# Altium PCB controleo3_clone.PcbDoc (part 1 of 2)
Units mm, origin at the board's own origin, x right, y up, seen from the top; angles counter-clockwise.
Board outline 128 x 70 mm, 4 copper layers (Top Layer, GND, PWR, Bottom Layer), stack 1.571 mm thick; 93 components, 97 nets, 462 pads, 160 vias.
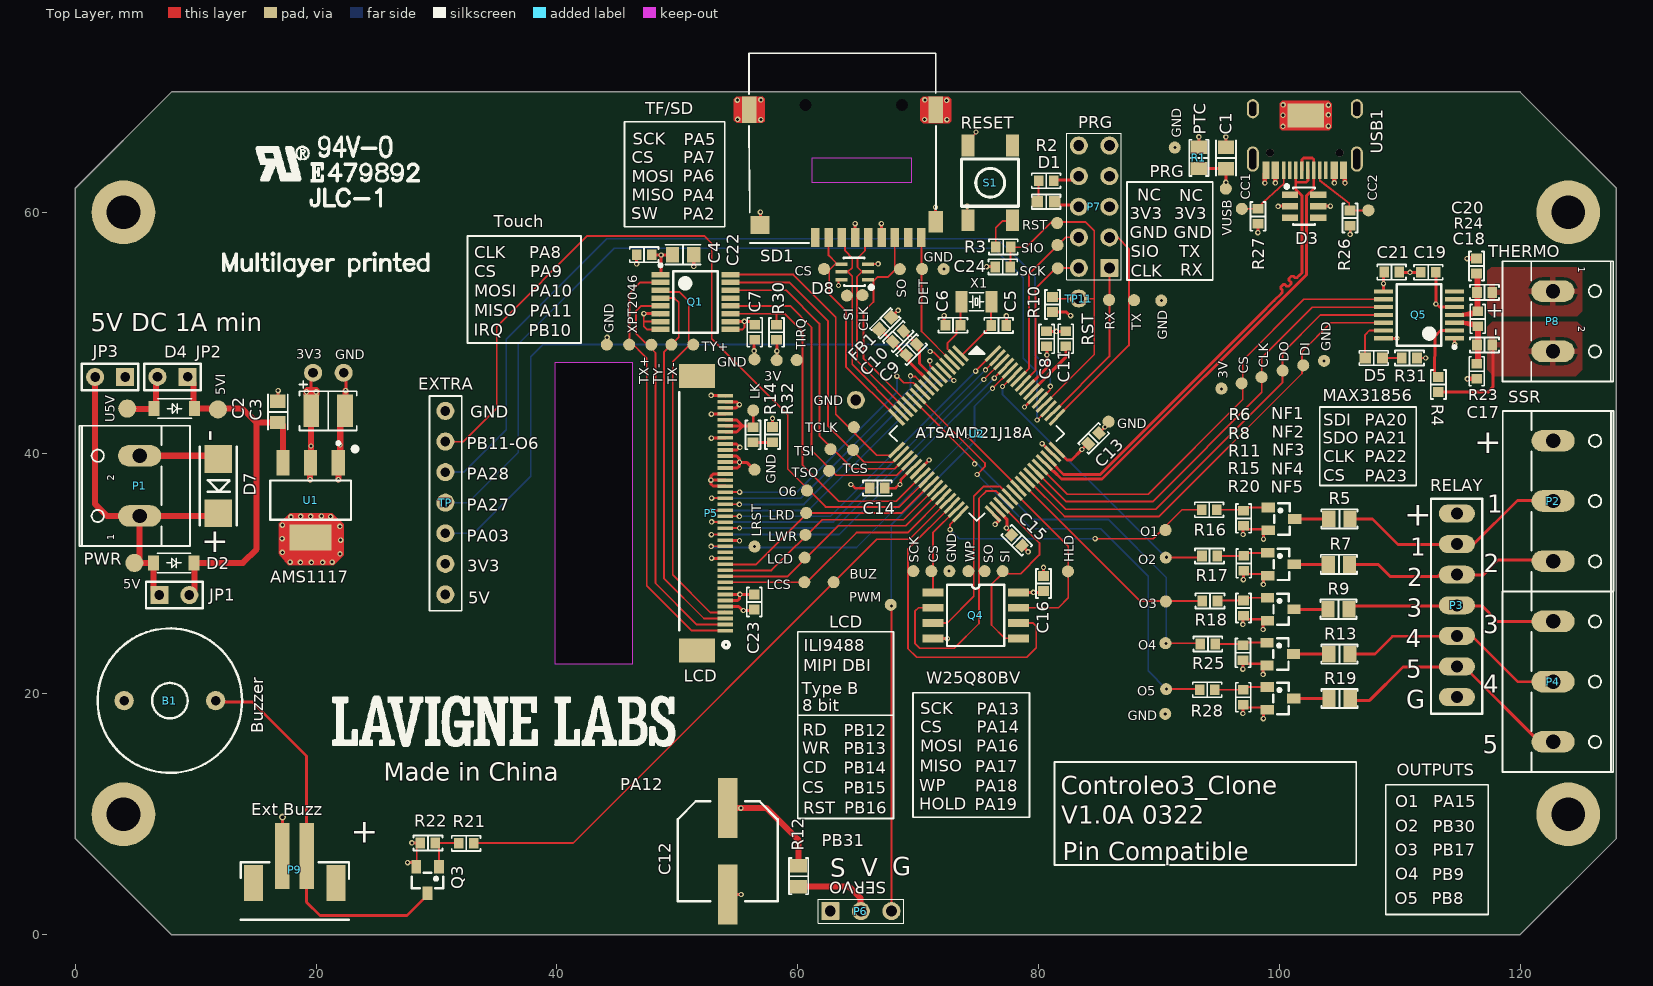
[diagram p0: Top Layer view]
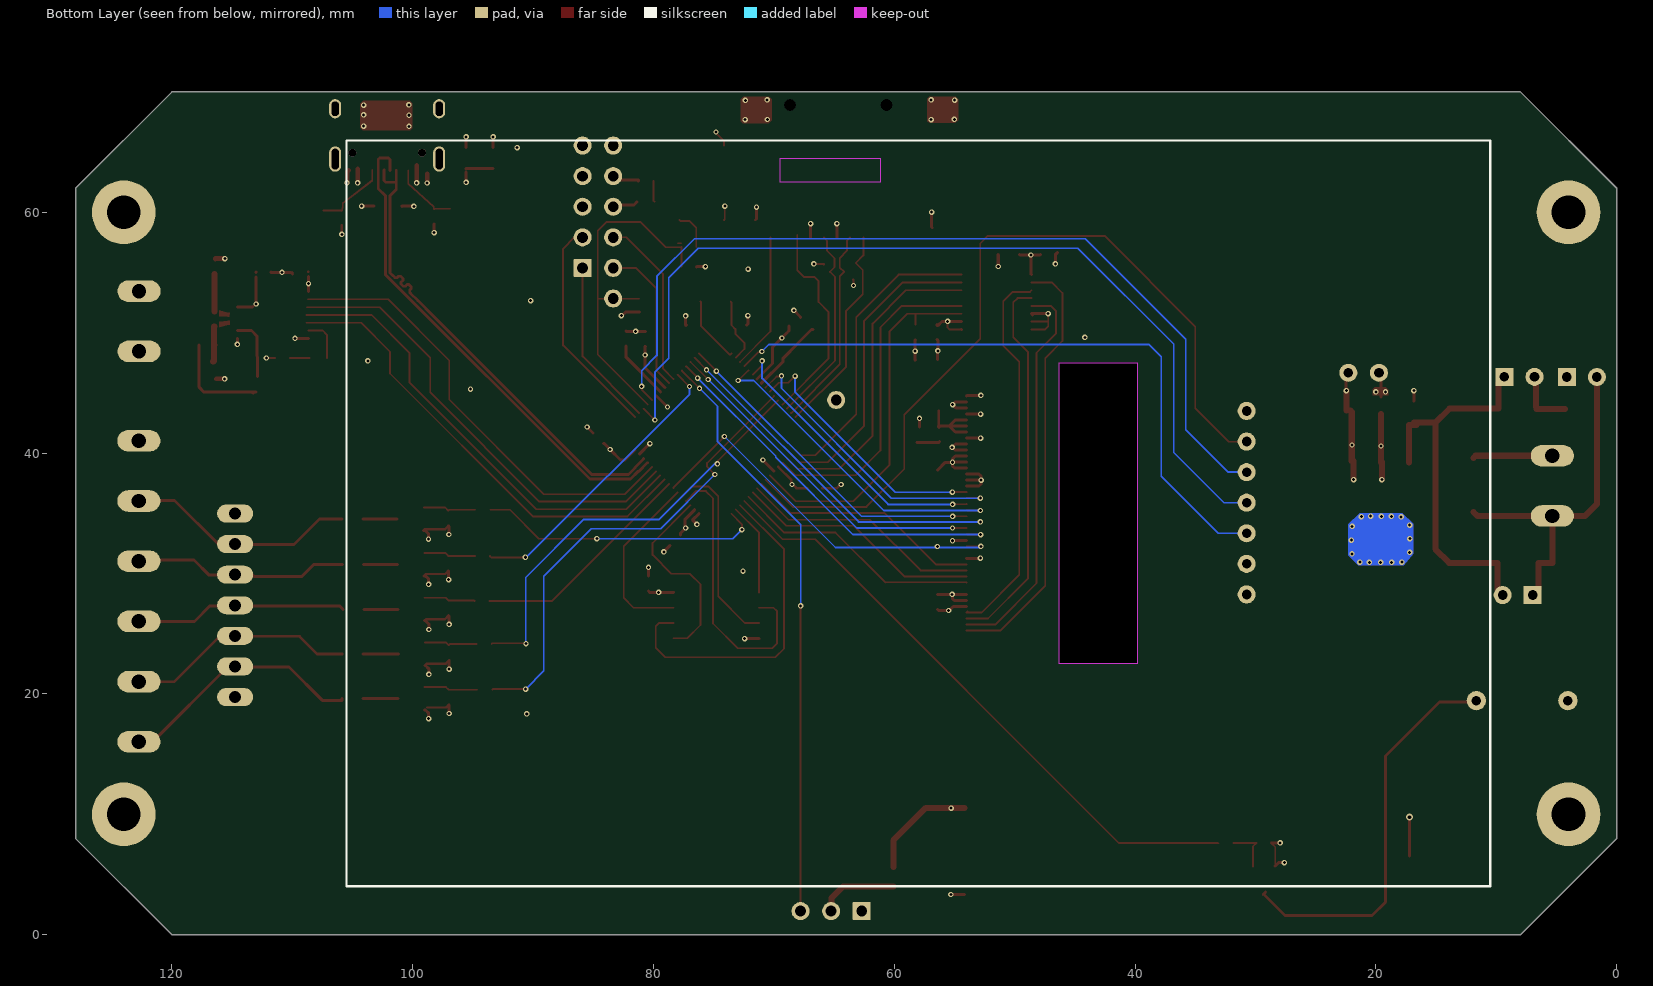
[diagram p1: Bottom Layer view, seen from below]
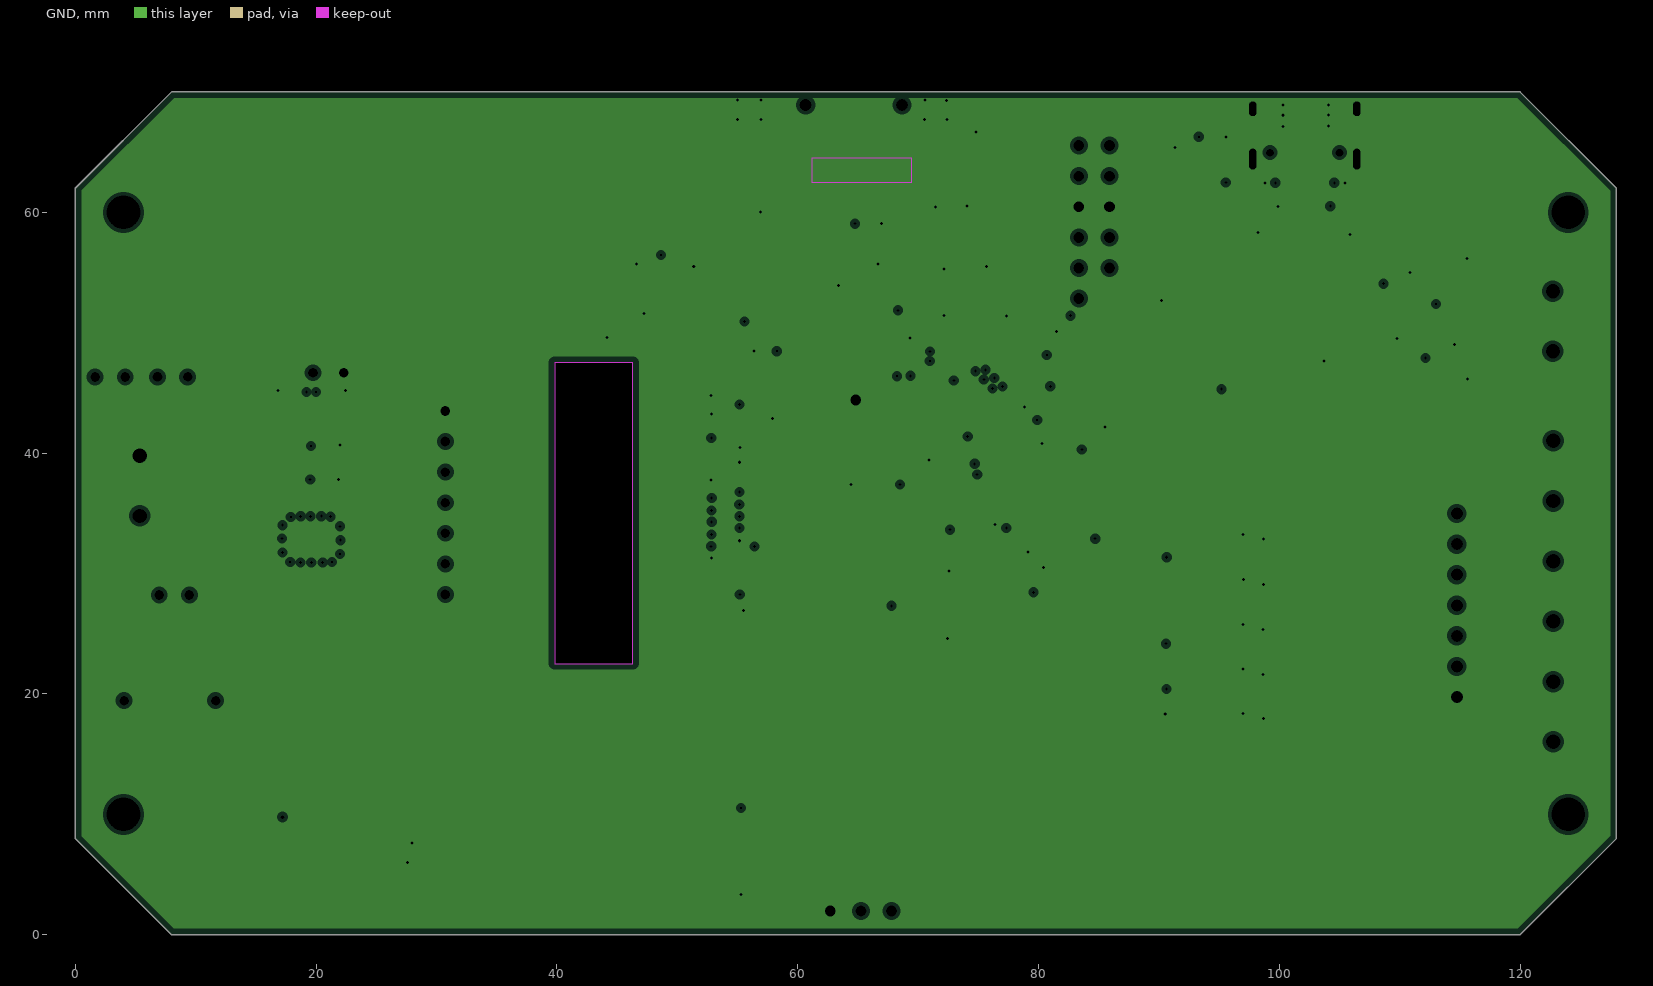
[diagram p2: GND, clearances drawn from the general rule]
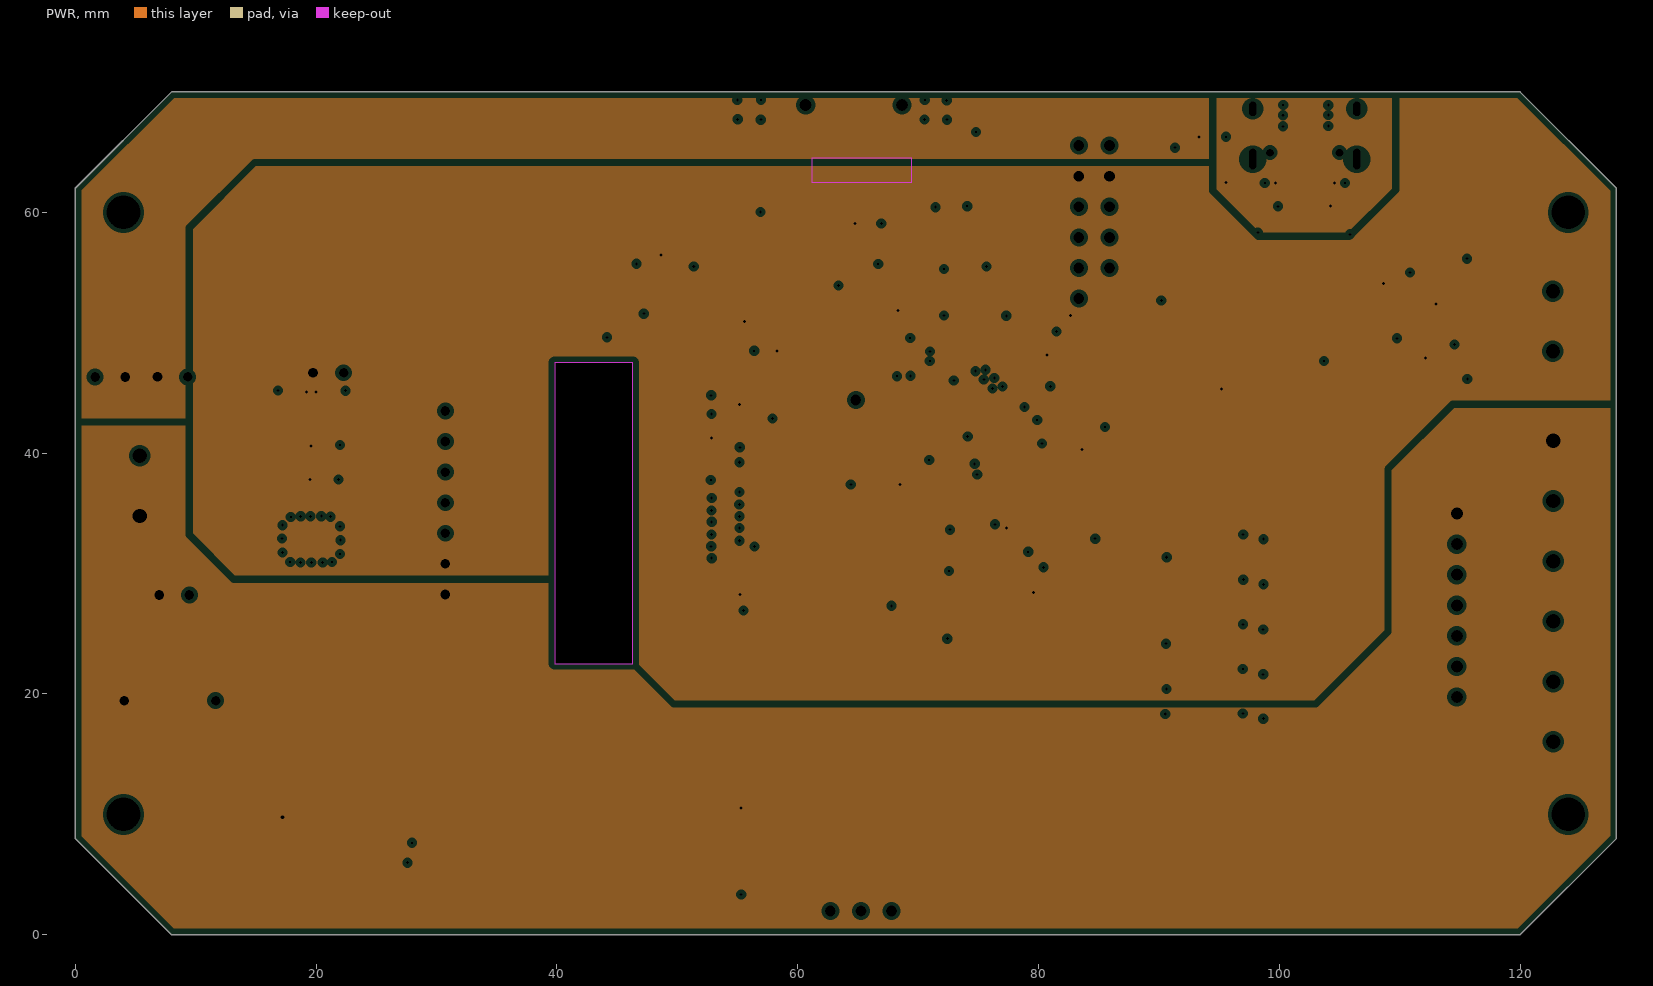
[diagram p3: PWR, clearances drawn from the general rule]
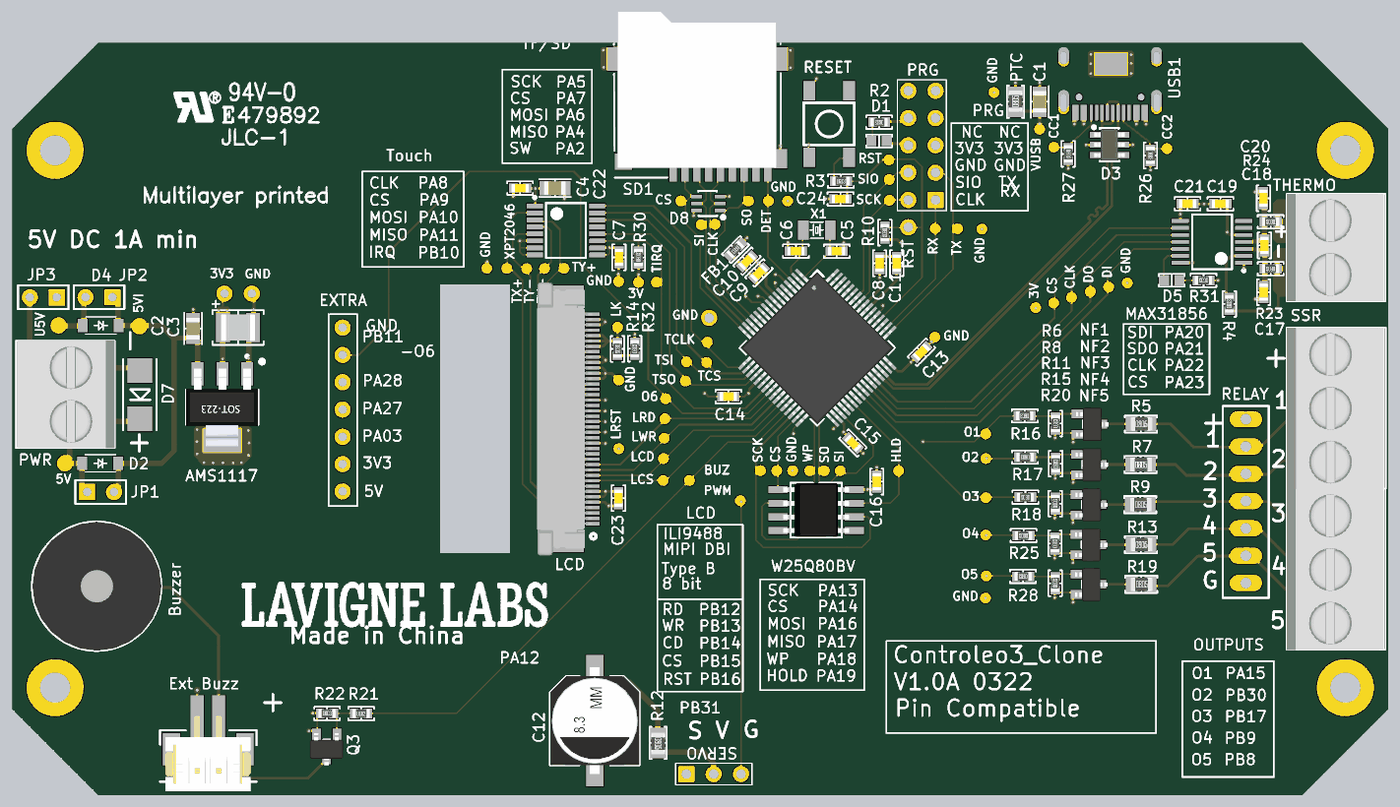
[diagram p5: 3D render of the assembled board from above, using the file's embedded part models]

## Layer stack, top to bottom
Top Solder: solder mask 0.0203, Solder Resist, Dk 3.8
Top Layer: signal copper 0.0356
Dielectric 2: prepreg 0.2, PP-006, Dk 4.6
GND: plane copper 0.0175, net GND
Dielectric 1: dielectric 1.065, FR-4, Dk 4.8
PWR: plane copper 0.0175, net (Multiple Nets)
Dielectric 3: prepreg 0.2, PP-006, Dk 4.6
Bottom Layer: signal copper 0.0356
Bottom Solder: solder mask 0.0203, Solder Resist, Dk 3.8

## Board outline
8,0 0,8 0,62 8,70 120,70 128,62 128,8 120,0
cut-out: 39.82,22.52 46.32,22.52 46.32,47.52 39.82,47.52

## Design rules (kind name [scope] priority, off if disabled: settings)
BoardOutlineClearance [All] p1: gap=0.2 ignorepadtopadclearanceinfootprint=FALSE except(0.4: Arc-SplitBarrior Arc-SplitContinuation Track-SplitBarrior Track-SplitContinuation SMDPad-SplitBarrior SMDPad-SplitContinuation THPad-SplitBarrior THPad-SplitContinuation Via-SplitBarrior Via-SplitContinuation Fill-SplitBarrior Fill-SplitContinuation Poly-SplitBarrior Poly-SplitContinuation Region-SplitBarrior Region-SplitContinuation Text-SplitBarrior Text-SplitContinuation)
Clearance [All] p1: gap=0.2 ignorepadtopadclearanceinfootprint=TRUE except(0.089: Arc-Arc Arc-Track Arc-SMDPad Track-Track Track-SMDPad SMDPad-SMDPad; 0.127: Arc-Via Track-Via SMDPad-Via THPad-Via Via-Via; 0.254: Arc-Text Track-Text SMDPad-Text THPad-Text Via-Text Fill-Text Poly-Text Region-Text Text-Text)
DiffPairsRouting DiffPair_90DiffPairsRouting [All] p1: maxlimit=0.152 minlimit=0.152 mostfreqgap=0.152 toplayer_minwidth=0.229 toplayer_maxwidth=0.229 toplayer_prefwidth=0.229 bottomlayer_minwidth=0.229 bottomlayer_maxwidth=0.229 bottomlayer_prefwidth=0.229 maxuncoupledlength=12.7
DiffPairsRouting [All] p2: maxlimit=0.5 minlimit=0.3 mostfreqgap=0.3 toplayer_minwidth=0.3 toplayer_maxwidth=0.4 toplayer_prefwidth=0.4 bottomlayer_minwidth=0.3 bottomlayer_maxwidth=0.4 bottomlayer_prefwidth=0.4 maxuncoupledlength=12.7
HoleSize [All] p1: absolutevalues=TRUE maxlimit=6.3 minlimit=0.2 maxpercent=80.000 minpercent=20.000
MinimumAnnularRing [All] p1: minimumring=0.076
MinimumSolderMaskSliver [All] p1: minsoldermaskwidth=0.1
PlaneClearance [All] p1: clearance=0.3
PlaneConnect [All] p1: planeconnectstyle=Direct reliefexpansion=0.508 reliefentries=4 reliefconductorwidth=0.254 reliefairgap=0.254
PolygonConnect PolygonConnect_1 [All] p1: thpad.connectstyle=Relief thpad.reliefconductorwidth=0.5 thpad.reliefentries=4 thpad.polygonreliefangle="90 Angle" thpad.airgapwidth=0.254 smdpad.connectstyle=Relief smdpad.reliefconductorwidth=0.5 smdpad.reliefentries=4 smdpad.polygonreliefangle="90 Angle" smdpad.airgapwidth=0.254 via.connectstyle=Direct via.reliefconductorwidth=0.508 via.reliefentries=4 via.polygonreliefangle="90 Angle" via.airgapwidth=0.254
RoutingCorners [All] p1: cornerstyle=Round minsetback=2.54 maxsetback=2.54
RoutingVias [All] p1: holewidth=0.5 width=1 viastyle="Through Hole" minholewidth=0.2 minwidth=0.45 maxholewidth=1 maxwidth=2
SilkToSilkClearance [All] p1: silktosilkclearance=0.1
SilkToSolderMaskClearance [IsPad] p1: minsilkscreentomaskgap=0.1 clearancetoexposedcopper=TRUE
SolderMaskExpansion [All] p1: expansion=0.102 istentingtop=FALSE
Width [All] p1: maxlimit=2.54 minlimit=0.089 preferedwidth=0.381
22 further rules are at their usual default settings.

## Classes and differential pairs
differential pair USB: +USB_P -USB_N

## Components (designator, comment, footprint, x,y, rotation, side; value= is the part's Value field where it differs from the comment)
B1 "Buzzer" Buzzer 7.86,19.44 r180 top
C1 "10uF" "CAP 0805/2012 RF" 95.57,64.52 r90 top
C2 "10uF" "CAP 0805/2012 RF" 16.83,43.41 r270 top
C3 "22uF" "CAP Pol 1210/3225 - 2.5MM" 21.01,43.51 r0 top
C4 "0.1uF" "CAP 0603 RF" 47.25,56.48 r0 top
C5 "13pF" "CAP 0603 RF" 76.69,50.61 r0 top
C6 "13pF" "CAP 0603 RF" 72.9,50.62 r180 top
C7 "0.1uF" "CAP 0603 RF" 56.44,50.04 r90 top
C8 "0.1uF" "CAP 0603 RF" 80.68,49.49 r90 top
C9 "10uF" "CAP 0603 RF" 69.46,48.59 r225 top
C10 "0.1uF" "CAP 0603 RF" 68.35,49.68 r225 top
C11 "0.1uF" "CAP 0603 RF" 82.27,49.5 r90 top
C12 "470uF" "CAP ALUM 8.0MM Size E" 54.19,6.93 r270 top
C13 "0.1uF" "CAP 0603 RF" 84.58,41.22 r225 top
C14 "0.1uF" "CAP 0603 RF" 66.62,37.09 r0 top
C15 "0.1uF" "CAP 0603 RF" 78.2,32.76 r135 top
C16 "0.01uF" "CAP 0603 RF" 80.42,29.17 r90 top
C17 "0.01uF" "CAP 0603 RF" 116.4,46.8 r270 top
C18 "0.1uF" "CAP 0603 RF" 116.48,51.15 r270 top
C19 "0.1uF" "CAP 0603 RF" 112.38,55.02 r0 top
C20 "0.01uF" "CAP 0603 RF" 116.38,55.54 r270 top
C21 "0.1uF" "CAP 0603 RF" 109.33,55.03 r180 top
C22 "10uF" "CAP 0805/2012 RF" 50.48,56.48 r180 top
C23 "0.1uF" "CAP 0603 RF" 56.4,27.63 r90 top
C24 "0.1uF" "CAP 0603 RF" 77.04,55.47 r0 top
D1 "Green" "LED 0603/1608 RF - Red" 80.64,60.87 r0 top
D2 "Diode" SOD-123F 8.18,30.88 r0 top
D3 "AOZ8904HIL" "SOT-23 (6) - Medium" 102.06,60.51 r270 top
D4 "Diode" SOD-123F 8.23,43.7 r0 top
D5 "Green" "LED 0603/1608 RF - Red" 107.85,47.9 r180 top
D7 "1SMB14AT3G" SMB 11.88,37.26 r270 top
D8 "ESD1L001" "SC-70-6 - NC7WZ16-D" 64.76,55.05 r90 top locked
FB1 "300Ohm" "RES 0603/1608 RF" 67.28,50.77 r225 top
JP1 "JU" J2 6.98,28.21 r0 top
JP2 "JU" J2 9.33,46.33 r180 top
JP3 "JU" J2 4.15,46.32 r180 top
NF1 "" SOT-23 100.19,34.53 r270 top
NF2 "" SOT-23 100.15,30.76 r270 top
NF3 "" SOT-23 100.12,27.03 r270 top
NF4 "" SOT-23 100.09,23.31 r270 top
NF5 "" SOT-23 100.11,19.62 r270 top
P1 "PWR" W237-102 5.35,37.28 r90 top
P2 "SSR" W237-103 122.77,36.02 r270 top locked
P3 "RELAY" "Header 7P - Tall" 114.75,34.98 r270 top
P4 "SSR2" W237-103 122.76,21.02 r270 top locked
P5 "LCD" "FPC 0.5 40Pin - Reverse" 54,44.76 r270 top locked
P6 "SERVO" "Header 3P - Outline" 62.71,1.96 r0 top
P7 "PRG" "Header 5*2P" 85.89,55.38 r180 top
P8 "THERMO" W237-102 122.73,50.95 r270 top
P9 "Ext Buzz" "PH2 2 Pin" 18.21,3.78 r180 top
Q1 "XPT2046" TSSOP16 51.51,52.55 r0 top locked
Q3 "NPN" SOT-23 29.26,4.55 r180 top
Q4 "W25Q80BV" "SOIC8 - 208-mil" 74.78,26.52 r0 top
Q5 "MAX31856" TSSOP14 111.6,51.48 r180 top locked
R1 "PTC" "RES 0805/2012 RF" 93.32,64.52 r90 top
R2 "330R" "RES 0603 RF" 80.64,62.62 r180 top
R3 "330R" "RES 0603 RF" 77.08,57.13 r0 top
R4 "0R" "RES 0603 RF" 113.21,45.7 r90 top
R5 "0R" "RES 0805/2012 RF" 104.99,34.53 r0 top
R6 "47k" "RES 0603 RF" 97.04,34.58 r90 top
R7 "0R" "RES 0805/2012 RF" 104.95,30.76 r0 top
R8 "47k" "RES 0603 RF" 97.05,30.84 r90 top
R9 "0R" "RES 0805/2012 RF" 104.92,27.03 r0 top
R10 "DNP" "RES 0603 RF" 81.17,52.34 r270 top
R11 "47k" "RES 0603 RF" 97.02,27.13 r90 top
R12 "0R" "RES 0805/2012 RF" 60.08,4.86 r270 top
R13 "0R" "RES 0805/2012 RF" 104.99,23.31 r0 top
R14 "5R6" "RES 0603 RF" 56.3,41.52 r270 top
R15 "47k" "RES 0603 RF" 96.99,23.41 r90 top
R16 "0R" "RES 0603 RF" 94.18,35.29 r180 top
R17 "0R" "RES 0603 RF" 94.21,31.45 r180 top
R18 "0R" "RES 0603 RF" 94.24,27.73 r180 top
R19 "0R" "RES 0805/2012 RF" 105.01,19.62 r0 top
R20 "47k" "RES 0603 RF" 97.01,19.72 r90 top
R21 "4k7" "RES 0603 RF" 32.47,7.59 r0 top
R22 "47k" "RES 0603 RF" 29.29,7.61 r0 top
R23 "100R" "RES 0603 RF" 117.05,48.98 r180 top
R24 "100R" "RES 0603 RF" 117.05,53.35 r180 top
R25 "0R" "RES 0603 RF" 94.07,24.15 r180 top
R26 "5k1" "RES 0603 RF" 105.87,59.52 r270 top
R27 "5k1" "RES 0603 RF" 98.23,59.66 r270 top
R28 "0R" "RES 0603 RF" 94.02,20.35 r180 top
R30 "47k" "RES 0603 RF" 58.25,50.03 r90 top
R31 "330R" "RES 0603 RF" 110.81,47.9 r180 top
R32 "0R" "RES 0603 RF" 57.91,41.54 r90 top
S1 "SW-SPST" "SMD Button 4x4" 75.99,62.45 r90 top locked
SD1 "SD/TF" "SD/TF Card Socket" 63.72,68.91 r180 top locked
TP "Extra" "Header 7P" 30.74,43.5 r270 top
TP11 "RST" "Header 1P" 83.35,53.45 r90 top
U1 "AMS1117" "SOT-223 2,4 Jumper" 19.55,36.1 r180 top
U2 "ATSAMD21J18A" TQFP64_10x10MC_MCH-M 74.88,41.62 r315 top locked
USB1 "USB-C" USBC2 102.12,66.05 r180 top locked
X1 "32.768kHz" TXC-SMD-32X15 74.84,52.58 r0 top

## Footprints (in the part's own frame and the unit in brackets; to place one, negate y for a bottom-side part, rotate by r counter-clockwise, add the part's x,y. Pads: shape width x height; smd on the part's side, far side on the other; paste and mask are expansions set on the pad)
Buzzer [mm]
  round 1.6 hole 0.8 paste+0 mask+0: 1(-3.8,0) 2(3.8,0)
  silkscreen extent -6,-6 6,6, body extent -6.02,-6 5.98,6, height 9.5
"CAP 0603 RF" [mm] "0603 RF"
  rect 0.8x0.9 smd: 1(-0.625,0) 2(0.625,0)
  silkscreen extent -1.2,-0.63 1.2,0.63, body extent -0.8,-0.4 0.8,0.4, height 0.5
"CAP 0805/2012 RF" [mm] "Chip Capacitor, 2-Leads, Body 2.00x1.20mm, IPC High Density"
  rect 1.1x1.3 smd: 1(-0.9,0) 2(0.875,0)
  silkscreen extent -1.48,-0.82 1.45,0.82, body extent -1,-0.64 1,0.64, height 1.26
"CAP ALUM 8.0MM Size E" [mm] "Aluminum Electrolytic Capacitor, Body 8*6.2mm, IPC Low Density"
  rect 5x1.6 smd: 1(-3.6,0) 2(3.6,0)
  silkscreen extent -4.15,-4.15 4.15,4.15, body extent -4.95,-4.15 4.95,4.15, height 10.5
"CAP Pol 1210/3225 - 2.5MM" [mm] "Chip Capacitor, 2-Leads, Body 3.20x2.50mm, IPC Medium Density"
  rect 1.3x2.7 smd: 1(-1.4,0) 2(1.4,0)
  silkscreen extent -2.4,-1.63 2.37,2.5, body extent -1.6,-1.25 1.6,1.25, height 2.5
"FPC 0.5 40Pin - Reverse" [mm] "FPC 0.5 40Pin"
  rect 2x3 smd paste+0: 0(-1.65,-2.35) 0(21.15,-2.35)
  rect 0.3x1.3 smd paste+0: 1(19.5,0) 2(19,0) 3(18.5,0) 4(18,0) 5(17.5,0) 6(17,0) 7(16.5,0) 8(16,0) 9(15.5,0) 10(15,0) 11(14.5,0) 12(14,0) 13(13.5,0) 14(13,0) 15(12.5,0) 16(12,0) 17(11.5,0) 18(11,0) 19(10.5,0) 20(10,0) 21(9.5,0) 22(9,0) 23(8.5,0) 24(8,0) 25(7.5,0) 26(7,0) 27(6.5,0) 28(6,0) 29(5.5,0) 30(5,0) 31(4.5,0) 32(4,0) 33(3.5,0) 34(3,0) 35(2.5,0) 36(2,0) 37(1.5,0) 38(1,0) 39(0.5,0) 40(0,0)
  silkscreen extent -0.3,-3.85 20.92,0.3, body extent -2.97,-5.16 22.47,-0.05, height 2
"Header 1P" [mm] "1 Pin Header"
  round 1.5 hole 0.9: 1(-0.61,0)
"Header 3P - Outline" [mm] "Header 3Pin"
  rrect10% 1.5x1.5 hole 0.9: 1(0,0)
  round 1.5 hole 0.9: 2(2.54,0) 3(5.08,0)
  silkscreen extent -1,-1 6.1,1
"Header 5*2P" [mm] "Header 5*2Pin"
  rrect10% 1.5x1.5 hole 0.9: 1(0,0)
  round 1.5 hole 0.9: 2(2.54,0) 3(0,-2.54) 4(2.54,-2.54) 5(0,-5.08) 6(2.54,-5.08) 7(0,-7.62) 8(2.54,-7.62) 9(0,-10.16) 10(2.54,-10.16)
  silkscreen extent -1,-11.17 3.56,1
"Header 7P" [mm] "7 Pin Header"
  round 1.5 hole 0.8: 1(0,0) 2(2.54,0) 3(5.08,0) 4(7.62,0) 5(10.16,0) 6(12.7,0) 7(15.24,0)
"Header 7P - Tall" [mm] "7 Pin Header"
  oval 1.5x3 hole 1: 1(0,0) 2(2.54,0) 3(5.08,0) 4(7.62,0) 5(10.16,0) 6(12.7,0) 7(15.24,0)
  silkscreen extent -1.22,-2.15 16.63,2.12
J2 [mm] "Connector; Header; 2 Position"
  rect 1.5x1.5 hole 0.8: 1(0,0)
  round 1.5 hole 0.8: 2(2.5,0)
  silkscreen extent -1.1,-1.1 3.6,1.1
"LED 0603/1608 RF - Red" [mm] "Red LED 0603"
  rect 0.95x0.95 smd: 1(-0.725,0) 2(0.725,0)
  silkscreen extent -1.2,-0.6 1.2,0.6, body extent -0.8,-0.4 0.8,0.4, height 0.4
"PH2 2 Pin" [mm] "Connector; Header; 2 Position Vertical"
  rect 1.6x3 smd: 0(-3.45,-0.5) 0(3.4,-0.5)
  rect 1.2x5.5 smd: 1(-1,-2.75) 2(1,-2.75)
  silkscreen extent -4.52,-2.25 4.45,2.52, body extent -3.97,-3.6 3.97,3.4, height 6.73
"RES 0603 RF" [mm] "0603 Reflow"
  rect 0.8x0.9 smd: 1(-0.625,0) 2(0.625,0)
  silkscreen extent -1.2,-0.63 1.2,0.63, body extent -0.8,-0.4 0.8,0.4, height 0.45
"RES 0603/1608 RF" [mm] "Chip Resistor, 2-Leads, Body 1.60x0.80mm, IPC High Density"
  rect 0.95x0.95 smd: 1(-0.725,0) 2(0.725,0)
  silkscreen extent -1.2,-0.6 1.2,0.6, body extent -0.8,-0.4 0.8,0.4, height 0.45
"RES 0805/2012 RF" [mm] "Chip Resistor, 2-Leads, Body 2.00x1.25mm, IPC High Density"
  rect 1.1x1.4 smd: 1(-0.875,0) 2(0.875,0)
  silkscreen extent -1.5,-0.8 1.5,0.8, body extent -0.95,-0.62 1.05,0.63, height 0.6
"SC-70-6 - NC7WZ16-D" [mm] "SC-70-6 - NC7WZ16-D"
  rect 0.3x1 smd: 1(-0.65,-1.1) 2(0,-1.1) 3(0.65,-1.1) 4(0.65,1.1) 5(0,1.1) 6(-0.65,1.1)
  silkscreen extent -1.22,-1.25 1.17,0.93
"SD/TF Card Socket" [mm] "Foxconn WQ21801-B2180-7F_C2836427"
  round 0.5 hole 1 paste+0: 0(-4.95,0) 0(3.05,0)
  rect 0.7x1.6 smd paste+0: 1(2.25,11) 2(1.15,11) 3(0.05,11) 4(-1.05,11) 5(-2.15,11) 6(-3.25,11) 7(-4.35,11) 8(-5.45,11) 9(-6.55,11)
  rect 1.2x1.8 smd paste+0: 10(-7.75,9.7)
  rect 1.2x2.2 smd paste+0: 10(-7.75,0.4) 10(7.75,0.4)
  rect 1.6x1.5 smd paste+0: 10(6.85,9.95)
  Keep-Out Layer region: -5.75,6.43 -5.75,4.43 2.55,4.43 2.55,6.43
  silkscreen extent -7.78,-4.3 7.75,11.45, body extent -7.35,-3.97 7.4,10.53, height 2
SMB [mm] "DO-214-AA/SMB; 2 C-Bend Leads; Body 5.3 x 3.6 mm, inc. leads (LxW)"
  rect 2.3x2.3 smd: 1(-2.25,0) 2(2.25,0)
  silkscreen extent -3.27,-1.55 3.27,1.55
"SMD Button 4x4" [mm] "SMD Buttong 4x4"
  rect 1.8x1.1 smd: 1(-3.1,-1.85) 1(3.1,-1.85) 2(-3.1,1.85) 2(3.1,1.85)
  silkscreen extent -1.95,-2.35 1.97,2.37
SOD-123F [mm]
  rect 0.91x1.22 smd: 1(-1.675,0) 2(1.675,0)
  silkscreen extent -1.38,-0.8 1.43,0.8
"SOIC8 - 208-mil" [mm] "SOIC8 - 208-mil"
  rect 1.75x0.65 smd: 1(-3.55,1.905) 2(-3.55,0.635) 3(-3.55,-0.635) 4(-3.55,-1.905) 5(3.55,-1.905) 6(3.55,-0.635) 7(3.55,0.635) 8(3.55,1.905)
  silkscreen extent -2.37,-2.54 2.37,2.54, body extent -3.08,-2.5 3.08,2.5, height 2
SOT-23 [mm] "SOT-23; 3 Leads; Body 3.0 x 2.6 mm, inc. leads (LxW max)"
  rect 0.8x1.1 smd: 1(-0.95,-1.1) 2(0.95,-1.1) 3(0,1.1)
  silkscreen extent -1.3,-0.6 1.3,0.67, body extent -1.52,-1.22 1.58,1.78, height 1.45
"SOT-23 (6) - Medium" [mm] "SOT-23; 6 Leads; Body 3 x 3 mm, inc. leads (LxW max)"
  rect 0.55x1.35 smd: 1(-0.95,-1.16) 2(0,-1.16) 3(0.95,-1.16) 4(0.95,1.18) 5(0,1.18) 6(-0.95,1.18)
  silkscreen extent -1.57,-1.35 1.55,0.9, body extent -1.46,-1.42 1.46,1.42, height 1.07
"SOT-223 2,4 Jumper" [mm] "SOT-223/SC-73; 4 Leads; Body 6.7 x 7.3 mm, inc. leads (LxW max)"
  rect 1.1x2.15 smd: 1(-2.3,-3.1) 2(0,-3.1) 3(2.3,-3.1)
  rect 3.5x2.15 smd: 4(0,3.1)
  silkscreen extent -3.35,-4.85 3.35,1.63, body extent -3.31,-3.58 3.39,3.62, height 1.85
TQFP64_10x10MC_MCH-M [mm]
  rect 1.762x0.279 smd paste+0 mask+0: 1(-5.663,3.75) 2(-5.663,3.25) 3(-5.663,2.75) 4(-5.663,2.25) 5(-5.663,1.75) 6(-5.663,1.25) 7(-5.663,0.75) 8(-5.663,0.25) 9(-5.663,-0.25) 10(-5.663,-0.75) 11(-5.663,-1.25) 12(-5.663,-1.75) 13(-5.663,-2.25) 14(-5.663,-2.75) 15(-5.663,-3.25) 16(-5.663,-3.75) 33(5.663,-3.75) 34(5.663,-3.25) 35(5.663,-2.75) 36(5.663,-2.25) 37(5.663,-1.75) 38(5.663,-1.25) 39(5.663,-0.75) 40(5.663,-0.25) 41(5.663,0.25) 42(5.663,0.75) 43(5.663,1.25) 44(5.663,1.75) 45(5.663,2.25) 46(5.663,2.75) 47(5.663,3.25) 48(5.663,3.75)
  rect 0.279x1.762 smd paste+0 mask+0: 17(-3.75,-5.663) 18(-3.25,-5.663) 19(-2.75,-5.663) 20(-2.25,-5.663) 21(-1.75,-5.663) 22(-1.25,-5.663) 23(-0.75,-5.663) 24(-0.25,-5.663) 25(0.25,-5.663) 26(0.75,-5.663) 27(1.25,-5.663) 28(1.75,-5.663) 29(2.25,-5.663) 30(2.75,-5.663) 31(3.25,-5.663) 32(3.75,-5.663) 49(3.75,5.663) 50(3.25,5.663) 51(2.75,5.663) 52(2.25,5.663) 53(1.75,5.663) 54(1.25,5.663) 55(0.75,5.663) 56(0.25,5.663) 57(-0.25,5.663) 58(-0.75,5.663) 59(-1.25,5.663) 60(-1.75,5.663) 61(-2.25,5.663) 62(-2.75,5.663) 63(-3.25,5.663) 64(-3.75,5.663)
  silkscreen extent -5.13,-5.13 5.13,5.13, body extent -5.99,-5.99 5.99,5.99, height 1.2
TSSOP14 [mm]
  rect 1.6x0.35 smd: 1(-2.95,1.95) 2(-2.95,1.3) 3(-2.95,0.65) 4(-2.95,0) 5(-2.95,-0.65) 6(-2.95,-1.3) 7(-2.95,-1.95) 8(2.95,-1.95) 9(2.95,-1.3) 10(2.95,-0.65) 11(2.95,0) 12(2.95,0.65) 13(2.95,1.3) 14(2.95,1.95)
  silkscreen extent -3.08,-2.55 1.85,2.8, body extent -2.25,-2.55 2.25,2.55, height 1.2
TSSOP16 [mm] "TI TSC2007"
  rect 1.5x0.45 smd: 1(-2.9,2.275) 2(-2.9,1.625) 3(-2.9,0.975) 4(-2.9,0.325) 5(-2.9,-0.325) 6(-2.9,-0.975) 7(-2.9,-1.625) 8(-2.9,-2.275) 9(2.9,-2.275) 10(2.9,-1.625) 11(2.9,-0.975) 12(2.9,-0.325) 13(2.9,0.325) 14(2.9,0.975) 15(2.9,1.625) 16(2.9,2.275)
  silkscreen extent -3.02,-2.55 1.85,3.17, body extent -2.25,-2.55 2.25,2.55, height 1.1
TXC-SMD-32X15 [mm]
  rect 1x1.8 smd: P$1(-1.25,0) P$2(1.25,0)
  silkscreen extent -0.6,-0.75 0.6,0.75
USBC2 [mm] "USB C connector"
  oval 1x1.6 hole 0.6 slot 1.2 at 90 deg unplated: 0(-4.32,-2.548) 0(4.32,-2.548)
  oval 1x2.1 hole 0.6 slot 1.7 at 90 deg unplated: 0(-4.32,1.632) 0(4.32,1.632)
  round 0.65 hole 0.65 unplated paste+0: 0(-2.89,1.102) 0(2.89,1.102)
  rect 0.6x1.45 smd: A1(-3.225,2.548) A4(-2.45,2.548) B1(3.225,2.548) B4(2.45,2.548)
  rect 0.3x1.45 smd: A5(-1.25,2.548) A6(-0.25,2.548) A7(0.25,2.548) A8(1.25,2.548) B5(1.75,2.548) B6(0.75,2.548) B7(-0.75,2.548) B8(-1.75,2.548)
W237-102 [mil]
  oval 70.5x141 hole 47: 1(-98.43,0) 2(98.43,0)
  silkscreen extent -196,-165 197,197, body extent -197,-164 197,190, height 433
W237-103 [mil]
  oval 70.5x141 hole 47: 1(-196.85,-0.79) 2(0,-0.79) 3(196.85,-0.79)
  silkscreen extent -295,-166 295,196, body extent -294,-165 296,189, height 433

## Part data
C1 C2 C4 C5 C6 C7 C8 C9 C10 C11 C13 C14 C15 C16 C17 C18 C19 C20 C21 C22 C23 C24: library part "Capacitor Mini Symbol", "SMT Capacitor"
C3: library part "SMT Tantalum Capacitor"
C12: library part "SMT Aluminum Capacitor", "SMT Aluminum Capacitor"
D1 D5: library part LED, "Chip LED"
D3: library part "ESD Diode USB", "ESD Protection Diode"
D7: library part "TVS Diode", "TVS Diode"
D8: library part "ESD Diode Array", "ESD Protection Diode Array"
FB1: library part "Ferrite Chip", "SMT Ferrite Chip"
JP1 JP2 JP3 P1 P8 P9: library part "Header 2H", "Header, 2-Pin, Right Angle", LatestRevisionDate=17-Jul-2002, LatestRevisionNote="Re-released for DXP Platform.", Publisher="Altium Limited"
NF1 NF2 NF3 NF4 NF5: library part "N MOSFET", "N-Channel MOSFET"
P2 P4 P6: library part "Header 3H", "Header, 3-Pin, Right Angle", LatestRevisionDate=17-Jul-2002, LatestRevisionNote="Re-released for DXP Platform.", Publisher="Altium Limited"
P3 TP: library part "Header 7P"
P5: library part "ILI9488 40Pin FPC"
P7: library part "Header 10P 2*5P"
Q3: "NPN Transistor", LatestRevisionDate=29-May-2009, LatestRevisionNote="IPC-7351 Footprint Added.", PackageDescription="3-Pin SOT-23 Package 0.95 mm Pitch, 2.4 mm Lead Span", PackageReference=SOT-23B, PackageVersion=Aug-1999, Published=8-Jun-2000, Publisher="Altium Limited"
Q5: library part MAX31856MUD
R1 R2 R3 R4 R5 R6 R7 R8 R9 R10 R11 R12 R13 R14 R15 R16 R17 R18 R19 R20 R21 R22 R23 R24 R25 R26 R27 R28 R30 R31 R32: library part Resistor, "SMT Resistor"
S1: "Single-Pole, Single-Throw Switch", LatestRevisionDate=17-Jul-2002, LatestRevisionNote="Re-released for DXP Platform.", PackageDescription="Switch; 2 Leads", PackageReference=SPST-2, Published=24-Mar-1999, Publisher="Altium Limited"
SD1: library part SD-FOXCONN
TP11: library part "Test Point"
U1: "Fixed Voltage Regulator", Mfr 1="Texas Instruments"
U2: library part ATSAMD21J18A-AU, "No Description Available", Mfr_Name=Microchip, Copyright="Copyright (C) 2022 Ultra Librarian. All rights reserved.", Manufacturer_Part_Number=ATSAMD21J18A-AU, RefDes=RefDes, Type=DEV
USB1: "USB C mid board connector"
X1: library part TXC-CRYSTAL32X15

## Free pads (board coordinates)
  round 5.3 hole 2.8 paste+0: 0(4,10) 0(4,60) 0(124,10) 0(124,60)
  round 1.5 hole 0.9 paste+0: 0(64.83,44.41)
  rect 3x2 smd: 0(102.2,68.03)
  oval 1x1.6 on Top Paste paste+0: 2(97.8,68.81) 4(106.44,68.81)
  oval 1x1.8 on Top Paste paste+0: 3(97.8,64.71) 5(106.44,64.71)
  round 1 smd paste-2: 6(90.55,24.21) 7(90.6,20.4) 8(90.58,27.68) 9(90.57,31.32) 10(90.55,33.61) 11(101.99,47.29) 12(98.53,46.31) 13(100.28,46.85) 14(96.87,45.79) 15(69.61,30.2) 16(82.45,30.18) 17(72.6,30.19) 17(77.02,30.19) 18(74.18,30.19) 19(75.528,30.19) 20(71.11,30.19) 21(67.73,27.4) 22(62.99,29.28) 23(60.71,35.03) 24(60.56,29.28) 25(60.58,31.32) 26(60.65,33.21) 27(44.15,49.01) 27(46.01,49.01) 28(47.85,49) 29(49.515,49.005) 30(51.33,49.01) 31(60.78,36.89) 32(68.49,55.28) 33(62.19,55.29) 33(72.13,55.28) 34(65.38,53.12) 35(64.09,53.08) 36(70.34,55.29) 37(59.92,47.73) 38(62.62,38.53) 39(62.73,40.32) 40(64.6,40.26) 41(64.67,42.15) 43(85.86,52.72) 44(87.94,52.7) 44(90.2,52.67) 45(81.58,57.28) 46(81.6,55.35) 48(81.55,59.11) 51(91.32,65.38) 51(95.56,61.96) 53(96.89,60.29) 54(107.41,60.16) 56(85.82,42.61) 56(95.2,45.36) 56(103.72,47.66) 57(90.53,18.34) 58(56.42,38.62) 59(56.31,43.54) 67(58.26,47.72) 68(56.41,47.79) 72(56.42,32.24)
  round 1.5 smd paste-2: 62(11.85,43.63) 65(4.32,43.7) 66(4.91,30.88)
  round 1.5 hole 0.8 paste+0: 69(19.75,46.67) 69(22.295,46.67)

## Via types
v1: diameter 0.45, hole 0.25, Top Layer to Bottom Layer, tented both sides, 159 vias
v2: diameter 0.6, hole 0.3, Top Layer to Bottom Layer, tented both sides, 1 vias

## Nets (pads, with @x,y where several pads share a name; then routed paths per layer and width w, separated by ;. In a path a pad name is that pad's centre, name@x,y a point inside that pad or via, vN(x,y) a via of type N, cw(c..) or ccw(c..) an arc to the next point about the centre after c; other vN are vias at no path point)
3V3: C3.1 C4.2 C7.2 C8.1 C13.2 C14.2 C15.2 C16.1 C19.2 C21.2 C22.2 C23.2 FB1.1 P5.6 P5.7 P5.33 P5.38 P5.39 P7.7 P7.8 pad.56@95.2,45.36 pad.67 pad.69@19.75,46.67 Q1.1 Q1.9 Q1.10 Q4.8 Q5.5 Q5.8 R2.1 R10.2 R30.1 R31.1 SD1.4 TP.6 U1.2 U2.21 U2.34 U2.48 U2.56 | length 51.9
  Top Layer w0.15: Q1.9@54.41,50.275 55.425,50.275 55.58,50.43 55.58,50.92 v1@55.62,50.96 ; R31.1@111.455,47.88 R31.1@111.435,47.9 v1(112.15,47.9)
  Top Layer w0.2: C14.2@67.245,37.09 68.132,37.09 68.432,37.39 v1(68.5,37.39) 68.548,37.438 68.548,37.763 U2.21@69.638,38.853 U2.21@69.635,38.853 ; Q5.8@108.64,53.44 Q5.8@108.65,53.43 ; C21.2@108.685,55.05 C21.2@108.695,55.04
  Top Layer w0.25: C3.1@19.57,44.66 19.58,44.67 pad.69@19.58,46.69 ; C4.2@47.875,56.48 47.905,56.45 v1(48.66,56.45) ; Q1.1@48.61,54.825 48.66,54.875 v1(48.66,56.45) ; C22.2@49.605,56.48 49.575,56.45 v1(48.66,56.45) ; v1(52.83,41.25) 52.835,41.255 53.995,41.255 P5.33@54,41.26 ; P5.6@54,27.76 55.02,27.76 55.19,27.93 55.19,28.253 v1(55.197,28.26) ; P5.7@54,28.26 v1(55.197,28.26) ; P5.38@54,43.76 54.89,43.76 v1(55.16,44.03) ; P5.39@54,44.26 54.921,44.26 55.151,44.03 v1(55.16,44.03) ; Q1.9@54.408,50.277 Q1.9@54.41,50.275 ; Q1.10@54.41,50.925 v1@55.58,50.925 ; v1@55.16,44.084 v1(55.16,44.03) ; v1@55.62,50.925 56.04,50.925 56.355,50.61 C7.2@56.46,50.61 ; C23.2@56.4,28.255 56.395,28.26 v1(55.197,28.26) ; C7.2@56.4,50.615 C7.2@56.445,50.66 ; R30.1@58.25,49.405 58.27,49.385 v1(58.27,48.46) 58.265,48.455 58.265,47.725 pad.67@58.26,47.72 ; SD1.4@64.77,57.91 v1(64.77,59.05) ; FB1.1@67.793,51.283 67.793,51.313 v1(68.34,51.86) ; U2.34@76.587,35.317 76.587,35.296 77.37,34.513 77.37,34.17 77.368,34.168 77.368,33.818 v1(77.33,33.78) 77.758,33.352 C15.2@77.758,33.202 ; Q4.8@78.33,28.425 78.337,28.433 79.573,28.433 v1(79.58,28.44) 80.315,28.44 C16.1@80.42,28.545 ; U2.56@79.061,45.448 80.69,47.076 v1(80.69,48.15) 80.69,48.855 C8.1@80.68,48.865 ; R10.2@81.17,51.715 82.311,51.715 82.616,51.41 v1(82.67,51.41) ; R2.1@81.275,62.61 R2.1@81.265,62.62 81.265,62.67 83.02,62.67 P7.8@83.35,63 ; U2.48@81.536,40.267 82.373,39.43 82.75,39.43 83.6,40.28 v1(83.6,40.3) 84.078,40.778 C13.2@84.138,40.778 ; Q5.8@108.64,53.44 108.66,53.46 C21.2@108.66,54.675 ; C19.2@113.01,54.615 v1(113.01,52.38) 113.3,52.13 Q5.5@114.55,52.13
  Top Layer w0.5: v1(19.51,37.8) 19.51,39.24 U1.2@19.55,39.28 ; U1.2@19.55,39.2 19.58,39.23 v1(19.58,40.59) C3.1@19.58,43.26
  other v1: 19.21,45.08 20,45.08 95.2,45.31 55.58,50.94 108.66,54.068
5V: B1.2 C12.1 D2.1 D7.2 JP1.1 JP3.2 P1.1 P2.1 P3.1 P9.2 pad.66 R12.1 TP.7 | length 41.8
  Top Layer w0.25: P9.2@17.21,6.53 v2(17.21,9.77)
  Top Layer w0.5: JP3.2@1.65,46.32 1.65,35.76 2.63,34.78 P1.1@5.35,34.78 ; JP1.1@6.98,28.19 6.94,28.23 6.94,28.25 6.505,28.685 D2.1@6.505,30.88 5.35,30.88 P1.1@5.35,34.78 ; D7.2@11.9,35.1 11.58,34.78 P1.1@5.35,34.78 ; C12.1@54.19,10.53 57.39,10.53 60.08,7.84 R12.1@60.08,5.735 R12.1@60.08,5.61
  other v1: 55.29,10.52
5V_IN: C2.2 D2.2 D4.2 JP1.2 JP2.1 pad.62 U1.3 | length 33
  Top Layer w0.5: JP2.1@9.33,46.33 9.83,45.83 9.83,43.73 D4.2@9.84,43.72 ; JP1.2@9.48,28.19 9.89,28.6 9.89,30.88 13.92,30.88 15.06,32.02 15.06,42.53 ; D4.2@9.905,43.7 11.85,43.7 13.89,43.7 15.06,42.53 ; C2.2@16.615,42.32 16.825,42.32 17.25,42.32 U1.3@17.25,39.2 ; C2.2@16.83,42.535 16.825,42.53 16.615,42.53 15.06,42.53
GND: C1.2 C2.1 C3.2 C4.1 C5.2 C6.2 C7.1 C8.2 C9.1 C10.1 C11.2 C12.2 C13.1 C14.1 C15.1 C16.2 C17.2 C19.1 C20.1 C21.1 C22.1 C23.1 C24.1 D1.2 D3.2 D7.1 D8.3 D8.6 NF1.2 NF2.2 NF3.2 NF4.2 NF5.2 P1.2 P3.7 P5.5 P5.13 P5.16 P5.25 P5.26 P5.27 P5.28 P5.29 P5.30 P5.31 P5.32 P5.37 P5.40 P6.1 P7.5 P7.6 pad.0@64.83,44.41 pad.0@102.2,68.03 pad.17@72.6,30.19 pad.27@44.15,49.01 pad.33@72.13,55.28 pad.44@90.2,52.67 pad.51@91.32,65.38 pad.56@85.82,42.61 pad.56@103.72,47.66 pad.57 pad.58 pad.68 pad.69@22.295,46.67 Q1.6 Q1.7 Q1.8 Q3.2 Q4.4 Q5.1 Q5.14 R6.1 R8.1 R11.1 R15.1 R20.1 R22.1 R26.2 R27.2 R32.2 S1.2 SD1.6 SD1.10 TP.1 U1.1 U2.7 U2.22 U2.33 U2.47 U2.54 USB1.0@97.8,64.418 USB1.0@97.8,68.598 USB1.0@106.44,64.418 USB1.0@106.44,68.598 USB1.A1 USB1.B1 | length 109.6
  Top Layer w0.15: Q3.2@28.37,5.71 28.37,7.285 R22.1@28.695,7.61 ; v1(47.223,51.575) 47.223,50.925 ; Q1.8@48.61,50.275 47.475,50.275 47.223,50.527 47.223,50.925 ; Q1.7@48.61,50.925 47.223,50.925 ; v1(74.08,60.51) 74.08,59.41 S1.2@74.14,59.35 ; S1.2@74.14,65.55 74.14,65.9 74.753,66.513 74.753,66.613 v1(74.81,66.67)
  Top Layer w0.2: SD1.10@56.84,58.72 SD1.10@56.91,58.79 ; v1(63.39,53.92) 63.39,54.38 D8.6@63.42,54.41 ; v1(64.41,37.39) 64.464,37.39 64.764,37.09 C14.1@65.995,37.09 ; D8.3@65.86,55.7 65.865,55.705 66.685,55.705 v1(66.69,55.71) ; SD1.10@71.45,59.46 SD1.10@71.55,59.36 ; R15.1@96.99,22.785 97.255,22.52 98.83,22.52 NF4.2@98.99,22.36 ; R20.1@97.01,19.095 97.235,18.87 NF5.2@98.81,18.87 ; R11.1@97.02,26.505 97.32,26.205 98.895,26.205 NF3.2@99.02,26.08 ; R6.1@97.04,33.955 97.305,33.69 98.98,33.69 NF1.2@99.09,33.58 ; R8.1@97.05,30.215 97.305,29.96 98.9,29.96 NF2.2@99.05,29.81 ; v1(105.88,58.17) 105.88,58.91 R26.2@105.89,58.92
  Top Layer w0.25: C2.1@16.83,44.31 16.85,44.33 v1(16.85,45.19) ; C3.2@22.41,43.51 C3.2@22.45,43.55 ; v1(22.45,45.18) 22.488,45.218 22.488,46.338 pad.69@22.554,46.606 ; pad.69@22.554,46.607 pad.69@22.57,46.67 ; v1(27.6,5.98) 28.1,5.98 Q3.2@28.37,5.71 ; v1(27.96,7.63) 28.645,7.63 R22.1@28.665,7.61 ; C4.1@46.46,56.645 C4.1@46.625,56.48 46.62,56.475 v1(46.62,55.72) ; v1(47.223,51.575) Q1.6@48.61,51.575 Q1.6@48.51,51.475 ; v1(51.37,55.5) 51.37,56.47 C22.1@51.38,56.48 ; v1(52.82,44.8) 52.84,44.78 53.98,44.78 P5.40@54,44.76 ; v1(52.84,43.24) 52.85,43.25 53.99,43.25 P5.37@54,43.26 ; v1(52.86,31.27) 52.865,31.265 53.995,31.265 P5.13@54,31.26 ; P5.5@54,27.26 55.107,27.26 55.439,26.928 v1(55.493,26.928) 56.322,26.928 C23.1@56.4,27.005 ; P5.16@54,32.76 v1@55.02,32.76 ; P5.25@54,37.26 52.97,37.26 52.79,37.44 v1(52.79,37.76) ; P5.26@54,37.76 v1(52.79,37.76) ; P5.27@54,38.26 52.98,38.26 52.79,38.07 v1(52.79,37.76) ; P5.28@54,38.76 55.01,38.76 55.16,38.91 55.16,39.23 v1(55.17,39.24) ; P5.29@54,39.26 54.01,39.25 v1@55.16,39.25 ; P5.30@54,39.76 54.93,39.76 55.16,39.53 v1@55.16,39.25 ; P5.31@54,40.26 54.961,40.26 55.181,40.48 v1(55.2,40.48) 54.92,40.76 P5.32@54,40.76 ; C12.2@54.19,3.33 54.2,3.34 v1(55.31,3.34) ; pad.68@56.41,47.79 56.4,47.8 56.4,48.49 v1(56.39,48.5) 56.39,49.365 C7.1@56.44,49.415 ; pad.58@56.42,38.58 55.77,39.23 55.18,39.23 v1(55.17,39.24) ; SD1.10@56.91,58.79 v1(56.91,60.02) ; R32.2@57.91,42.165 v1(57.91,42.88) ; v1(66.95,59.06) 66.96,59.05 66.96,57.918 SD1.6@66.969,57.909 ; C10.1@68.757,50.546 68.757,50.157 C10.1@68.792,50.122 ; C10.1@68.922,49.992 70.122,48.792 70.122,47.439 U2.7@71.406,46.155 ; U2.22@69.991,38.499 69.994,38.499 70.924,39.43 v1(70.926,39.43) ; Q4.4@71.23,24.615 71.242,24.603 72.417,24.603 v1(72.43,24.59) ; SD1.10@71.45,59.46 v1(71.45,60.42) ; v1(72.16,51.42) 72.16,50.735 C6.2@72.275,50.62 ; v1(75.69,55.49) 76.395,55.49 C24.1@76.415,55.47 ; U2.33@76.233,34.964 76.743,34.454 76.743,34.433 v1(76.4,34.09) ; C5.2@77.28,50.645 C5.2@77.315,50.61 77.33,50.625 v1(77.33,51.4) ; C15.1@78.642,32.318 78.642,32.308 v1(79.15,31.8) ; v1(78.84,43.83) 78.849,43.83 79.76,44.741 U2.54@79.769,44.741 ; v1(80.3,40.79) 80.303,40.79 81.18,39.913 U2.47@81.183,39.913 ; C16.2@80.42,29.795 v1(80.42,30.51) ; C8.2@80.68,50.115 80.685,50.11 v1(81.49,50.11) 82.255,50.11 C11.2@82.27,50.125 ; D1.2@81.365,60.87 81.625,60.61 83.2,60.61 P7.6@83.35,60.46 ; C13.1@85.022,41.662 85.022,41.672 v1(85.52,42.17) ; C1.2@95.57,65.395 v1(95.57,66.27) ; v1(96.97,18.37) 96.97,19.055 R20.1@97.01,19.095 ; v1(96.97,22.06) 96.97,22.765 R15.1@96.99,22.785 ; v1(96.98,25.78) 96.98,26.465 R11.1@97.02,26.505 ; v1(97,33.24) 97,33.915 R6.1@97.04,33.955 ; v1(97.01,29.49) 97.01,30.175 R8.1@97.05,30.215 ; v1(98.22,58.31) 98.22,59.025 R27.2@98.23,59.035 ; v1(98.66,21.63) 98.66,22.085 98.935,22.36 NF4.2@98.99,22.36 ; v1(98.66,25.35) 98.66,25.805 98.935,26.08 NF3.2@99.02,26.08 ; v1(98.67,17.94) 98.67,18.395 98.945,18.67 NF5.2@99.01,18.67 ; v1(98.68,29.1) 98.68,29.535 98.955,29.81 NF2.2@99.05,29.81 ; v1(98.69,32.85) 98.69,33.305 98.965,33.58 NF1.2@99.09,33.58 ; v1(99.9,60.5) 99.905,60.505 100.905,60.505 D3.2@100.91,60.5 ; USB1.0@106.39,64.64 USB1.0@106.43,64.68 ; USB1.0@106.39,64.66 USB1.0@106.44,64.71 ; Q5.14@108.65,49.53 v1(109.78,49.53) ; C21.1@109.975,54.895 110.09,55.01 111.745,55.01 C19.1@111.755,55.02 ; Q5.1@114.55,49.53 114.56,49.52 v1(114.56,49.03) ; C20.1@116.38,56.165 C20.1@116.39,56.175 ; C17.2@116.39,46.165 C17.2@116.4,46.175 ; v1@55.16,39.25 v1(55.17,39.24)
  Top Layer w0.381: pad.33@72.13,55.28 v1(72.15,55.28)
  Top Layer w0.4: v1(98.8,62.43) USB1.B1@98.8,63.205 ; USB1.A1@105.336,63.494 105.445,63.385 105.445,62.469 105.46,62.454 v1(105.46,62.44) ; v1(115.6,56.15) 115.608,56.158 116.373,56.158 C20.1@116.4,56.13 ; v1(115.62,46.16) 115.628,46.167 116.288,46.167 C17.2@116.3,46.18
  Top Layer w0.5: P1.2@5.35,39.78 11.72,39.78 D7.1@11.9,39.6 ; v1(21.86,37.8) U1.1@21.86,39.21 ; U1.1@21.88,39.33 21.86,39.31 U1.1@21.86,39.21 ; C3.2@22.12,43.52 22.01,43.41 22.01,39.36 U1.1@21.86,39.21 ; C3.2@22.45,43.55 v1(22.45,45.18)
  other v1: 90.53,18.34 72.57,30.2 55.17,32.72 21.99,40.67 103.72,47.66 69.35,49.56 44.17,49.62 90.2,52.67 110.86,55.01 91.33,65.37 100.31,67.14 104.07,67.16 56.94,67.69 72.4,67.69 55.02,67.72 70.54,67.71 100.31,68.06 104.07,68.09 100.33,68.92 104.07,68.9 72.38,69.3 54.99,69.32 70.56,69.33 56.95,69.34
heat_sink: U1.4
  other v1: 18.7,30.92 19.61,30.92 20.55,30.92 17.85,30.95 21.33,30.95 21.99,31.63 17.21,31.75 22.04,32.77 17.18,32.9 21.98,33.92 17.21,34.01 17.9,34.7 21.21,34.72 18.72,34.75 19.55,34.75 20.44,34.76
LCD_CD: P5.10 pad.25 U2.27 | length 20.6
  Top Layer w0.15: P5.10@54,29.76 59.17,29.76 63.37,33.96 68.988,33.96 U2.27@71.759,36.731
LCD_CS: P5.9 pad.24 U2.28 | length 21.1
  Top Layer w0.15: P5.9@54,29.26 pad.24@60.56,29.28 60.75,29.26 64.89,33.4 69.135,33.4 U2.28@72.113,36.378
LCD_RD: P5.12 pad.23 U2.25 | length 19.8
  Top Layer w0.15: P5.12@54,30.76 56.56,30.76 60.13,34.33 60.83,35.03 68.644,35.03 U2.25@71.052,37.439
LCD_RESET: P5.15 pad.72 U2.39 | length 32.4
  Top Layer w0.15: v1(52.82,32.26) P5.15@54,32.26 ; v1(74.12,41.376) 74.12,41.348 78.354,37.113 U2.39@78.354,37.085
  Bottom Layer w0.15: v1(52.82,32.26) 52.92,32.16 64.89,32.16 74.106,41.376 v1(74.12,41.376)
  other v1: 56.42,32.24
LCD_WR: P5.11 pad.26 U2.26 | length 20.2
  Top Layer w0.15: P5.11@54,30.26 57.82,30.26 62.03,34.47 68.791,34.47 U2.26@71.406,37.085
MX_CLK: pad.12 Q5.10 U2.43 | length 38.4
  Top Layer w0.15: U2.43@79.769,38.499 82.298,35.97 89.48,35.97 98.55,45.04 98.55,47.93 102.74,52.12 Q5.10@108.78,52.12